# Altium PCB PCB1.PcbDoc (continued)
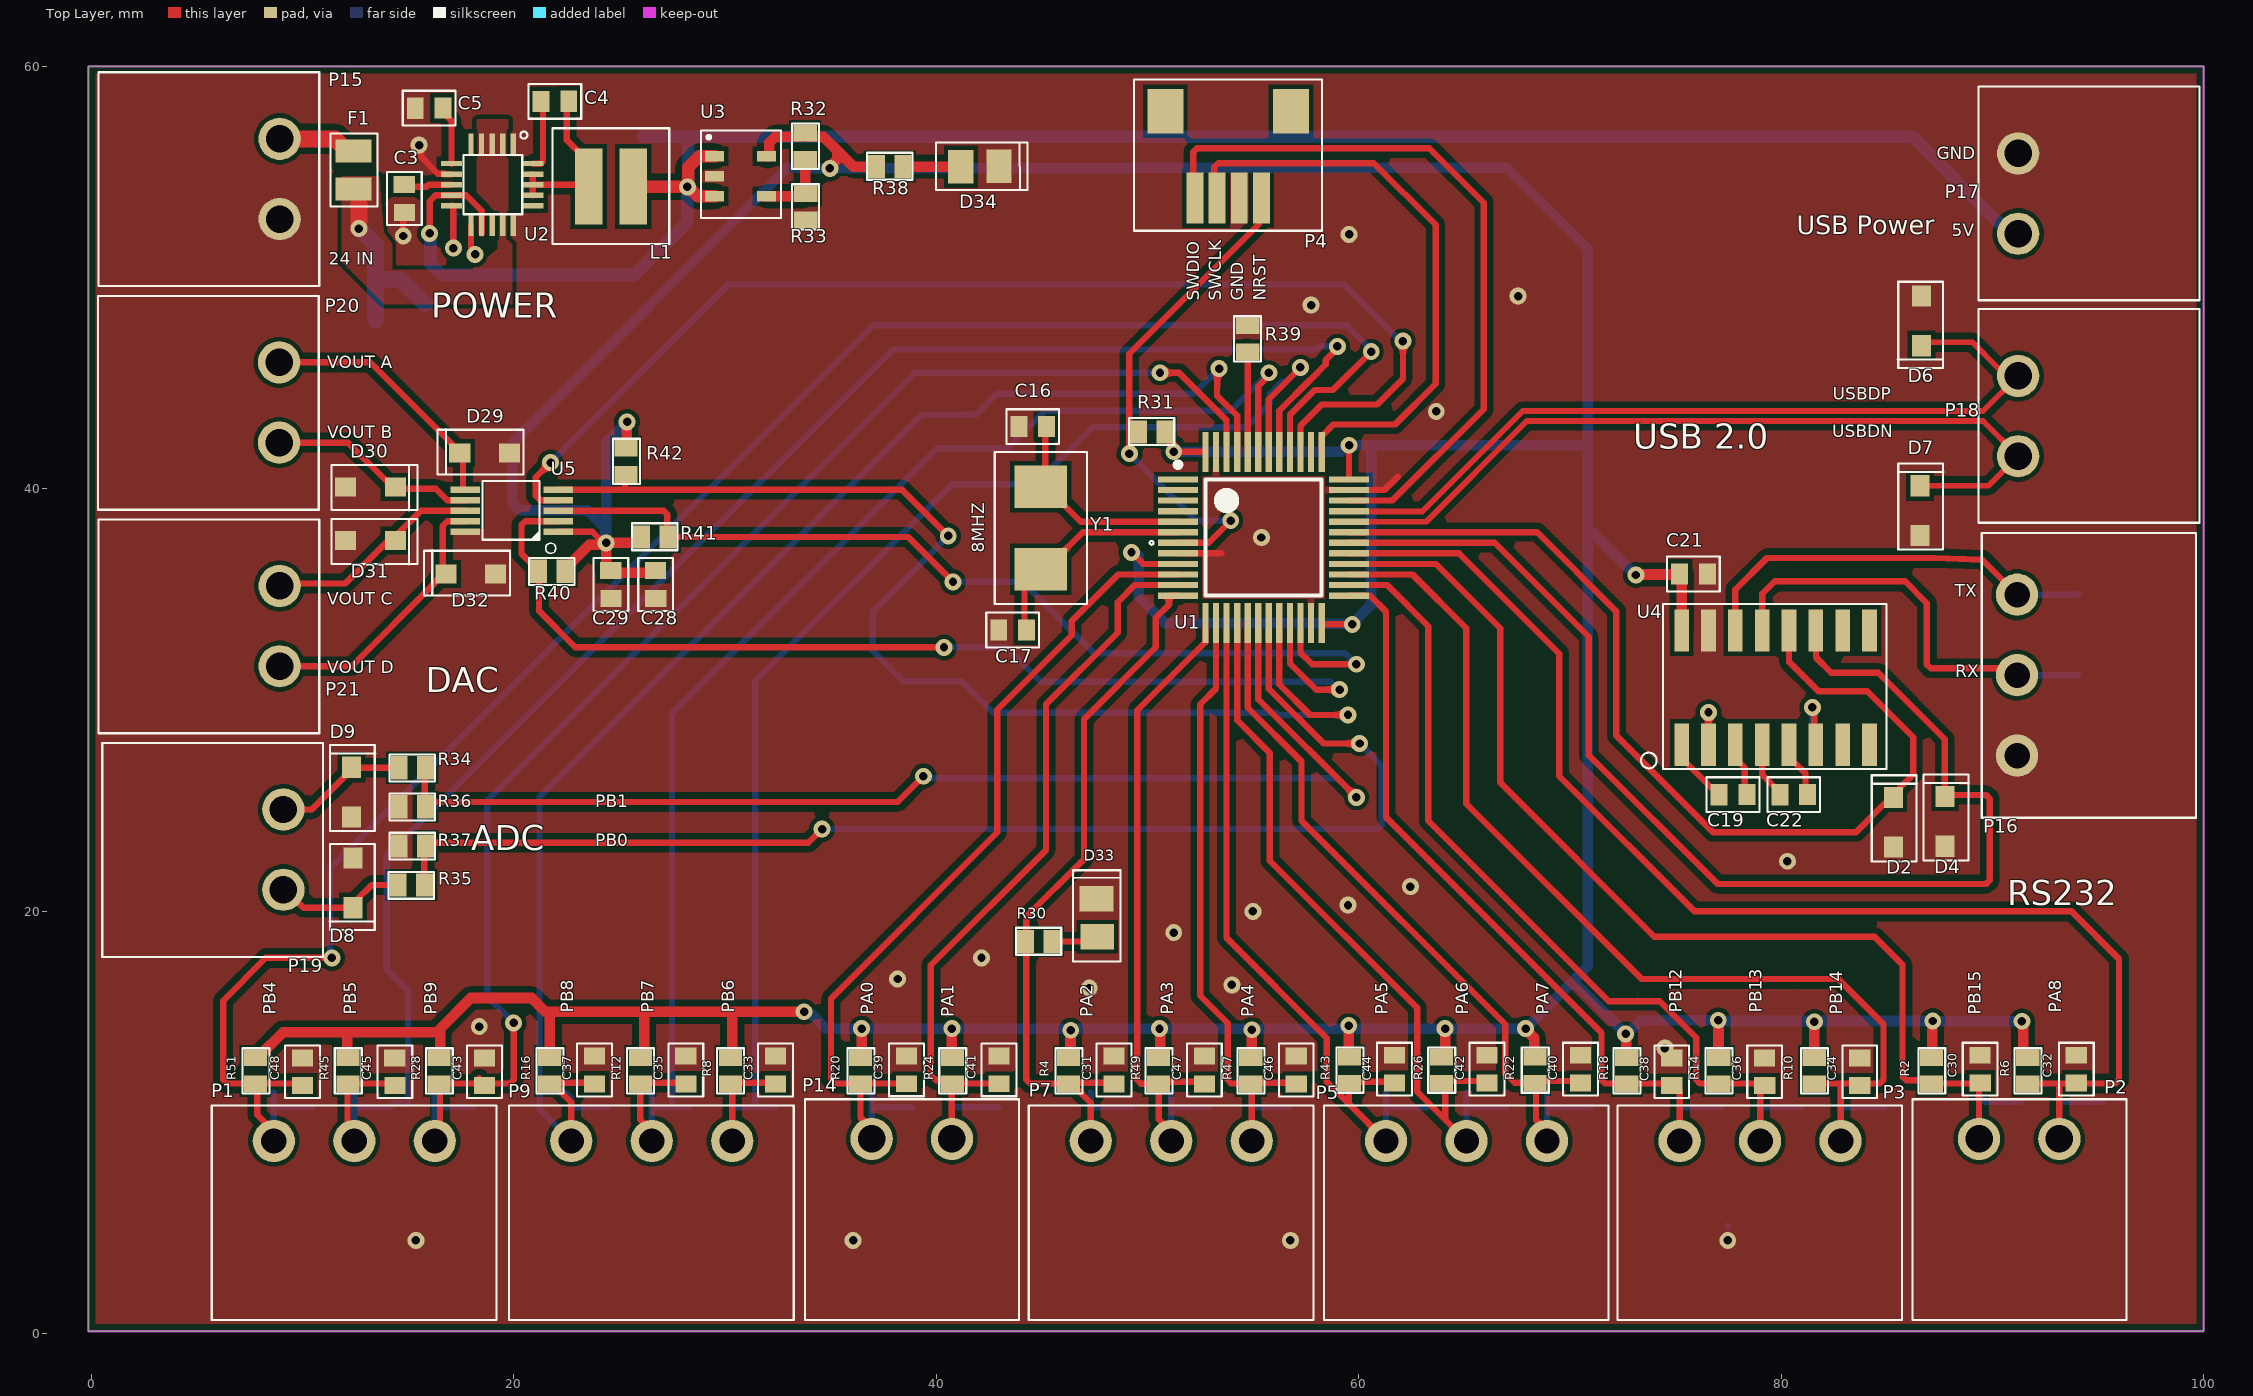
[diagram p0: Top Layer view]
## Footprints (in the part's own frame and the unit in brackets; to place one, negate y for a bottom-side part, rotate by r counter-clockwise, add the part's x,y. Pads: shape width x height; smd on the part's side, far side on the other; paste and mask are expansions set on the pad)
"5-PIN TSOT" [mm] "5-PIN TSOT"
  rect 0.5x0.9 smd paste-2539.97 mask-2539.97: 1(0.575,-0.35) 2(1.525,-0.35) 3(2.475,-0.35) 4(2.475,2.1) 5(0.575,2.101)
  silkscreen extent -0.65,-1 3.5,2.8, body extent 0.08,-0.53 2.98,2.27, height 0.85
"10-PIN MSOP" [mm] "10-PIN MSOP"
  rect 0.3x1.4 smd paste-2539.97 mask-2539.97: 1(0.5,-0.7) 2(1,-0.7) 3(1.5,-0.7) 4(2,-0.7) 5(2.5,-0.7) 6(2.5,3.7) 7(2,3.7) 8(1.5,3.7) 9(1,3.7) 10(0.5,3.7)
  silkscreen extent -0.51,-0.59 2.9,2.88, body extent 0,-0.95 3,3.95, height 1.15
"16-PIN SOIC" [mm] "16-Pin SOIC package general ICs"
  rect 2x0.7 smd paste-2539.97 mask-2539.97: 1(0.3,9.395) 2(0.3,8.125) 3(0.3,6.855) 4(0.3,5.585) 5(0.3,4.315) 6(0.3,3.045) 7(0.3,1.775) 8(0.3,0.505) 9(5.7,0.505) 10(5.7,1.775) 11(5.7,3.045) 12(5.7,4.315) 13(5.7,5.585) 14(5.7,6.855) 15(5.7,8.125) 16(5.7,9.395)
  silkscreen extent -0.85,-0.3 6.95,11.32, body extent 0,0.2 6,9.7, height 1.26
"20-PIN TQFN" [mm] "4mm x 4mm QFN-20"
  rect 0.25x1 smd paste-2539.97 mask-2539.97: 1(1,0.075) 2(1.5,0.075) 3(2,0.075) 4(2.5,0.075) 5(3,0.075) 11(3,3.925) 12(2.5,3.925) 13(2,3.925) 14(1.5,3.925) 15(1,3.925)
  rect 1x0.25 smd paste-2539.97 mask-2539.97: 6(3.925,1) 7(3.925,1.5) 8(3.925,2) 9(3.925,2.5) 10(3.925,3) 16(0.075,3) 17(0.075,2.5) 18(0.075,2) 19(0.075,1.5) 20(0.075,1)
  silkscreen extent 0.33,-0.52 3.35,3.4, body extent -0.01,-0.01 4.01,4.01, height 0.78
"0603 CAP"#1 [mm]
  rect 0.8x1 smd paste-2539.97 mask+0.102: 1(-0.659,-0.002) 2(0.659,0.002)
  silkscreen extent -1.25,-0.82 1.25,0.82, body extent -0.8,-0.4 0.8,0.4, height 0.45
"0603 CAP"#2 [mm]
  rect 0.8x1 smd paste-2539.97 mask-2539.97: 1(-0.659,-0.002) 2(0.659,0.002)
  silkscreen extent -1.25,-0.82 1.25,0.82, body extent -0.8,-0.4 0.8,0.4, height 0.45
"0603 RES"#1 [mm] "0603 resistor footprint"
  rect 0.8x1.1 smd paste-2539.97 mask+0.102: 1(0.175,0.425) 2(1.425,0.425)
  silkscreen extent -0.28,-0.2 1.88,1.07, body extent 0,0 1.6,0.85, height 0.48
"0603 RES"#2 [mm] "0603 resistor footprint"
  rect 0.8x1.1 smd paste-2539.97 mask-2539.97: 1(0.175,0.425) 2(1.425,0.425)
  silkscreen extent -0.28,-0.2 1.88,1.07, body extent 0,0 1.6,0.85, height 0.48
"0805 FUSE" [mm] "0805 Fuse"
  rect 1.1x1.7 smd paste-2539.97 mask-2539.97: 1(0.15,0.7) 2(1.95,0.7)
  silkscreen extent -0.67,-0.4 2.78,1.83, body extent -0.1,-0.05 2.2,1.45, height 0.86
"0805 LED" [mm] "General 0805 Package LED"
  rect 1.2x1.6 smd paste-2539.97 mask-2539.97: 1(0.15,0.625) 2(1.95,0.65)
  silkscreen extent -1.02,-0.48 3.3,1.78, body extent 0.02,0.19 2.08,1.1, height 0.85
"ABM3 2PIN SMD" [mm]
  rect 2x2.5 smd paste-2539.97 mask-2539.97: 1(0.65,1.675) 2(4.55,1.675)
  silkscreen extent -1,-0.5 6.2,3.88, body extent 0.05,0.08 5.05,3.27, height 1.3
LQFP48_N [mm]
  rect 1.9x0.3 smd paste-2539.97 mask-2539.97: 1(-4.05,2.75) 2(-4.05,2.25) 3(-4.05,1.75) 4(-4.05,1.25) 5(-4.05,0.75) 6(-4.05,0.25) 7(-4.05,-0.25) 8(-4.05,-0.75) 9(-4.05,-1.25) 10(-4.05,-1.75) 11(-4.05,-2.25) 12(-4.05,-2.75) 25(4.05,-2.75) 26(4.05,-2.25) 27(4.05,-1.75) 28(4.05,-1.25) 29(4.05,-0.75) 30(4.05,-0.25) 31(4.05,0.25) 32(4.05,0.75) 33(4.05,1.25) 34(4.05,1.75) 35(4.05,2.25) 36(4.05,2.75)
  rect 0.3x1.9 smd paste-2539.97 mask-2539.97: 13(-2.75,-4.05) 14(-2.25,-4.05) 15(-1.75,-4.05) 16(-1.25,-4.05) 17(-0.75,-4.05) 18(-0.25,-4.05) 19(0.25,-4.05) 20(0.75,-4.05) 21(1.25,-4.05) 22(1.75,-4.05) 23(2.25,-4.05) 24(2.75,-4.05) 37(2.75,4.05) 38(2.25,4.05) 39(1.75,4.05) 40(1.25,4.05) 41(0.75,4.05) 42(0.25,4.05) 43(-0.25,4.05) 44(-0.75,4.05) 45(-1.25,4.05) 46(-1.75,4.05) 47(-2.25,4.05) 48(-2.75,4.05)
  silkscreen extent -5.39,-2.75 2.75,3.57, body extent -4.5,-4.49 4.5,4.51, height 1.56
SM04B-SRSS-TB [mm] "sm04b-srss-tb 4 pin header"
  rect 0.8x2.4 smd paste-2539.97 mask-2539.97: 1(1.375,5.025) 2(2.425,5.025) 3(3.475,5.025) 4(4.525,5.025)
  rect 1.7x2.1 smd paste-2539.97 mask-2539.97: 5(-0.025,0.925) 6(5.925,0.925)
  silkscreen extent -1.5,-0.58 7.4,6.58, body extent 0.03,0.38 6.02,5.32, height 3.25
"TVS DIODE"#1 [mm] "SOD323 package diode"
  rect 1x0.9 smd paste-2539.97 mask+0.102: 1(-0.275,0.7) 2(2.075,0.7)
  silkscreen extent -1.33,-0.33 2.75,1.83, body extent -0.4,0.03 2.2,1.38, height 1.1
"TVS DIODE"#2 [mm] "SOD323 package diode"
  rect 1x0.9 smd paste-2539.97 mask-2539.97: 1(-0.275,0.7) 2(2.075,0.7)
  silkscreen extent -1.33,-0.33 2.75,1.83, body extent -0.4,0.03 2.2,1.38, height 1.1
"WR-TBL 322 2H"#1 [mm] "322 series 2 pin header"
  round 2 / inner rect 0.25x0.7 / far side round 2 hole 1.3 paste-2539.97 mask-2539.97: 1(-1.9,3.4) 2(1.9,3.4)
  silkscreen extent -5.05,-5.18 5.07,5.28, body extent -4.41,-4.57 4.41,4.63, height 7.51
"WR-TBL 322 2H"#2 [mm] "322 series 2 pin header"
  round 2 / inner rect 0x0 / far side round 2 hole 1.3 paste-2539.97 mask-2539.97: 1(-1.9,3.4)
  round 2 / inner rect 0.25x0.7 / far side round 2 hole 1.3 paste-2539.97 mask-2539.97: 2(1.9,3.4)
  silkscreen extent -5.05,-5.18 5.07,5.28, body extent -4.41,-4.57 4.41,4.63, height 7.51
"WR-TBL 322 2H"#3 [mm] "322 series 2 pin header"
  round 2 / inner rect 0x0 / far side round 2 hole 1.3 paste-2539.97 mask-2539.97: 1(-1.9,3.4) 2(1.9,3.4)
  silkscreen extent -5.05,-5.18 5.07,5.28, body extent -4.41,-4.57 4.41,4.63, height 7.51
"WR-TBL 322 3H" [mm] "322 series WR-TBL package header 3 pin"
  round 2 / inner round 1.2 / far side round 2 hole 1.2 paste-2539.97 mask-2539.97: 1(-3.81,0) 2(0,0) 3(3.81,0)
  silkscreen extent -6.73,-1.68 6.75,8.47, body extent -6.31,-1.2 6.31,8, height 6.7
XAL6060 [mm] "XAL6060 power inductor"
  rect 1.3x3.6 smd paste-2539.97 mask-2539.97: 1(0.25,1.7) 2(2.37,1.7)
  silkscreen extent -1.45,-1.05 4.08,4.43, body extent -0.82,-0.45 3.48,3.85, height 3

## Part data
C1 C2 C3 C4 C5 C6 C7 C8 C9 C10 C11 C12 C13 C14 C15 C16 C17 C18 C19 C20 C21 C22 C23 C28 C29 C30 C31 C32 C33 C34 C35 C36 C37 C38 C39 C40 C41 C42 C43 C44 C45 C46 C47 C48: library part "0603 Cap", "SMD 0603 (ceramic) capacitor", Capacitor Type=Ceramic, Case/Package=0805, Manufacturer=Murata, Manufacturer Part Number=GRM21BR71C225KA12L, Max Operating Temperature=125°C, Min Operating Temperature=-55°C, Package Shape=Rectangular, Package Style=SMTMeter, Rated DC Voltage (URdc)=16V, Supplier Part Number=81-GRM21BR71C225KA2L, Temperature Characteristics Code=X7R, Tolerance  (fill in as +-)=10%, Category="Ceramic Capacitors", ComponentLink1Description=https://datasheet.ciiva.com:443/pdfs/VipMasterIC/IC/MURE/MURE-S-A0004349797/MURE-S-A0004361718-1.pdf?src-supplier=IHS+Markit, ComponentLink1URL=https://datasheet.ciiva.com:443/pdfs/VipMasterIC/IC/MURE/MURE-S-A0004349797/MURE-S-A0004361718-1.pdf?src-supplier=IHS+Markit, ComponentLink2Description=https://datasheet.ciiva.com/7937/608985-7937701.pdf?src-supplier=Element14, ComponentLink2URL=https://datasheet.ciiva.com/7937/608985-7937701.pdf?src-supplier=Element14, Dielectric Material=Ceramic, Height=1.25mm, JESD-609 Code=e3, Length=2mm, Mounting Technology="Surface Mount", Multilayer=Yes, Packaging="Tape and Reel", Pins=2, Pricing="1=0,3, 10=0,163, 50=0,163, 100=0,098, 1000=0,07, 10000=0,054 (USD)", Reach SVHC Compliant=Yes, RoHS=Yes, RoHS Compliant=Yes, Stock=30148, Supplier=Mouser, Terminal Finish=Nickel, Termination=Wraparound, Tolerance (fill in as +-)=10%, Width=1.25mm
D1 D2 D3 D4 D5 D6 D7 D8 D9 D10 D11 D12 D13 D14 D15 D16 D17 D18 D19 D20 D21 D22 D23 D24 D25 D26 D27 D28 D29 D30 D31 D32: library part "TVS Diode", "Schematic for TVS diode"
F1: "0805 Fuse"
L1: library part "Power Inductor", "XAL6060 preferred"
P1 P3 P5 P7 P9 P16: library part 322-3H, "322 Series 3 pin header"
P2 P14 P15 P17 P18 P19 P20 P21: library part 322-2H, "322 series 2 pin header"
P4: library part "4X HEADER"
R1 R2 R3 R4 R5 R6 R7 R8 R9 R10 R11 R12 R13 R14 R15 R16 R17 R18 R19 R20 R21 R22 R23 R24 R25 R26 R27 R28 R29 R30 R31 R32 R33 R34 R35 R36 R37 R38 R39 R40 R41 R42 R43 R44 R45 R46 R47 R48 R49 R50 R51 R52: library part "0603 Res", "Can be used for SMD resistors"
U1: "STM32 ARM-based 32-bit MCU with 64 Kbytes Flash, 48-pin LQFP, Industrial Temperature", ComponentLink1Description="Manufacturer Link", ComponentLink1URL=www.st.com/stm32, ComponentLink2Description=Datasheet, ComponentLink2URL=http://www.st.com/stonline/products/literature/ds/13587.pdf, DatasheetVersion="rev6, Mar-2008", PackageDescription="48-Pin Low-Profile Quad Flat Pack, 7 x 7 mm Body, 0.5 mm Pitch (LQFP48)", PackageReference=LQFP48, PackageVersion=Mar-2008, Published=30-May-2008, Publisher="Altium Limited"
U2: library part "20-PIN TQFN", "20-PIN TSOT"
U3: library part "5-PIN TSOT", "Schematic for all 5 pin TSOT"
U4: library part "16-PIN SOIC", "16-Pin SOIC package IC schematic"
U5: library part "10-PIN MSOP"
Y1: "XTAL schematic. Footprint available for many packages"

## Via types
v1: diameter 0.8, hole 0.4, Top Layer to Bottom Layer, tented both sides, 73 vias

## Nets (pads, with @x,y where several pads share a name; then routed paths per layer and width w, separated by ;. In a path a pad name is that pad's centre, name@x,y a point inside that pad or via, vN(x,y) a via of type N, cw(c..) or ccw(c..) an arc to the next point about the centre after c; other vN are vias at no path point)
3V3: C8.1 C9.1 C10.1 C11.1 C12.1 C13.1 C14.2 C15.1 C21.1 C28.1 C29.1 R2.1 R4.1 R6.1 R8.1 R10.1 R12.1 R14.1 R16.1 R18.1 R20.1 R22.1 R24.1 R26.1 R28.1 R31.2 R32.1 R38.1 R40.1 R41.1 R42.1 R43.1 R45.1 R47.1 R49.1 R51.1 U1.9 U1.24 U1.36 U1.48 U3.5 U4.16 U5.1 | length 300.5
  Top Layer w0.3: U5.1 23.723,37.967 v1@24.24,37.45 ; v1(49.25,37) 49.8,36.45 U1.9 ; R31.2@50.725,42.525 v1@51.252,41.998 ; v1(51.252,41.759) U1.48@52.741,41.759 ; U1.24@58.25,33.637 58.296,33.591 v1(59.698,33.591) ; U1.36@59.548,40.452 v1(59.548,42.066)
  Top Layer w0.5: R51.1@7.861,13.05 7.936,13.05 8.036,13.15 8.036,13.225 9.086,14.275 12.133,14.275 ; R45.1@12.133,13.05 12.133,14.275 ; 16.35,14.275 12.133,14.275 ; R28.1@16.518,13.05 16.518,14.443 17.975,15.9 20.85,15.9 21.5,15.25 26.176,15.25 ; R16.1@21.716,13.05 21.716,15.25 ; R40.1@22.4,36.1 22.4,36.175 23.579,37.354 24.279,37.354 v1(24.375,37.45) ; R42.1@25.325,41.9 25.35,41.925 25.35,43.15 v1(25.375,43.175) ; R41.1@26.075,37.725 26.075,37.7 25.825,37.45 v1(24.375,37.45) ; R12.1@26.176,13.05 26.176,15.25 ; C28.1@26.723,36.034 24.598,36.034 24.375,36.257 v1(24.375,37.45) ; R8.1@30.336,13.05 30.348,13.063 30.348,15.248 ; U3.5 32.096,55.752 32.096,56.382 32.389,56.675 33.65,56.675 33.8,56.825 33.95,56.675 34.663,56.675 35.331,56.006 ; v1(33.75,15.25) 26.176,15.25 ; v1(34.975,55.175) 34.975,55.256 35.331,55.612 35.331,56.006 ; R20.1@36.475,13.075 v1(36.475,14.45) ; R38.1@37.2,55.263 36.075,55.263 35.331,56.006 ; R24.1@40.75,13.05 v1(40.75,14.45) ; R4.1@46.348,13.05 46.362,13.063 46.362,14.362 v1(46.375,14.375) ; v1(50.575,14.45) 50.604,14.421 50.604,13.079 R49.1@50.633,13.05 ; R31.2@50.725,42.525 R31.2@50.725,42.7 ; v1(51.252,41.759) v1@51.252,41.998 ; R47.1@54.943,13.05 54.947,13.053 54.947,14.397 v1(54.95,14.4) ; v1(59.536,14.591) 59.536,13.105 R43.1@59.55,13.091 ; v1(64.096,14.45) 64.096,13.095 R26.1@64.1,13.091 ; v1(67.906,14.45) 67.906,14.426 68.325,14.007 68.325,13.182 R22.1@68.5,13.007 ; v1(72.638,14.205) 72.669,14.174 72.669,13.081 R18.1@72.7,13.05 ; v1(73.125,35.925) 73.149,35.949 75.317,35.949 75.296,35.928 U4.16 ; R14.1@77.025,13.083 77.038,13.096 77.038,14.837 v1(77.025,14.85) ; R10.1@81.575,12.943 v1(81.575,14.775) ; R2.1@87.125,13.05 87.152,13.077 87.152,14.785 v1(87.18,14.813) ; v1(91.4,14.8) 91.457,14.743 R6.1@91.457,13.082
  Bottom Layer w0.5: v1(25.375,43.175) 24.375,42.175 v1(24.375,37.45) 24.337,37.488 24.337,38.152 23.488,39 20.276,39 19.925,39.351 19.925,42.175 32.95,55.2 33.8,55.2 33.813,55.187 49.088,55.187 49.1,55.175 49.125,55.2 67,55.2 70.857,51.343 70.857,42.309 ; v1(33.75,15.25) 33.807,15.193 34.046,15.193 34.789,14.45 v1(36.475,14.45) v1(40.75,14.45) v1(50.575,14.45) v1(64.096,14.45) v1(67.906,14.45) 70.149,16.693 70.265,16.81 ; v1(49.25,37) 49.288,36.962 49.463,36.962 49.597,36.827 49.597,34.903 50.85,33.65 58.25,33.65 58.279,33.621 v1@59.669,33.621 ; v1(51.252,41.759) 51.256,41.755 59.183,41.755 59.494,42.066 v1(59.548,42.066) 60.6,42.066 ; v1(59.698,33.591) 59.698,33.626 60.6,34.528 60.6,42.066 ; 70.615,42.066 60.6,42.066 ; 70.857,42.066 70.857,38.168 ; v1(73.125,35.925) 73.1,35.925 70.857,38.168 ; v1(91.4,14.8) 91.394,14.806 87.186,14.806 v1(87.18,14.813) 81.575,14.813 77.063,14.813 v1(77.025,14.85) 73.364,14.85 72.719,14.205 v1(72.638,14.205) 70.296,16.546 70.296,16.779 70.265,16.81 ; 70.265,16.81 70.857,17.401 70.857,38.168
"5V OUT": C6.1 C7.1 C18.1 L1.1 P17.1 U2.9 U2.12 U3.1 U3.3 | length 97.7
  Top Layer w0.3: v1(16.025,52.1) 16.025,53.625 16.301,53.901 U2.9 17.751,53.901 18.484,53.167 U2.12 U2.12@18.484,52.1
  Top Layer w0.6: L1.1 25.695,54.3 v1(28.225,54.3) 28.263,54.338 28.263,55.213 28.802,55.752 U3.1 ; v1@28.279,54.3 28.727,53.852 U3.3
  Bottom Layer w0.6: v1(16.025,52.1) 16.063,52.062 16.063,50.662 16.6,50.125 25.725,50.125 28.225,52.625 v1(28.225,54.3) 28.263,54.338 C6.1@28.263,56.682 ; C7.1@26.098,56.666 28.248,56.666 C6.1@28.263,56.682 ; C6.1@28.373,56.691 28.273,56.691 C6.1@28.263,56.682 ; C6.1@28.5,56.666 86.234,56.666 90.278,52.622 90.306,52.622 90.846,52.081 P17.1
"24V IN": C1.1 C2.2 D1.1 F1.2 U2.2 U2.3 U2.4 U2.14 | length 9.3
  Top Layer w0.8: v1(12.675,52.325) 12.675,54.075 F1.2@12.8,54.2
  Bottom Layer w0.8: v1(12.675,52.325) 13.459,51.541 13.459,49.998 C1.1@13.459,49.898 ; C2.2@13.459,47.998 13.459,49.701 13.683,49.925 14.65,49.925 D1.1
+24V: F1.1 P15.1 | length 3.7
  Top Layer w0.8: P15.1 11.55,56.575 12.158,55.967 F1.1@12.392,55.967
_BSY: R42.2 U1.20 U5.5 | length 57.6
  Top Layer w0.3: U5.5 25.275,39.967 ; R42.2@25.325,40.7 25.275,40.65 25.275,39.967 ; v1(40.575,37.775) 38.383,39.967 25.275,39.967 ; U1.20 56.25,30.75 57.7,29.3 v1(59.5,29.3)
  Bottom Layer w0.3: v1(40.575,37.775) 37,34.2 37,32.34 38.426,30.914 38.426,30.9 41.2,30.9 42.7,29.4 56.099,29.4 56.199,29.3 v1(59.5,29.3)
_LDAC: U1.39 U5.4 | length 56.7
  Top Layer w0.3: v1(21.75,41.25) 21.053,40.553 21.053,39.672 21.258,39.467 U5.4 ; U1.39 57.25,43 58.25,44 60.875,44 62.1,45.225 v1(62.1,47)
  Bottom Layer w0.3: v1(21.75,41.25) 30.175,49.675 59.308,49.675 61.983,47 v1(62.1,47)
ADC12_IN8: R34.1 R36.1 U1.18 | length 57
  Top Layer w0.3: R36.1@15.8,24.95 R36.1@15.8,25.183 ; R34.1@15.8,26.8 R36.1@15.8,25.183 ; v1(39.4,26.4) 38.183,25.183 R36.1@15.8,25.183 ; U1.18 55.25,30.05 v1(59.9,25.4)
  Bottom Layer w0.3: v1(39.4,26.4) 39.495,26.305 58.995,26.305 v1(59.9,25.4)
ADC12_IN9: R35.1 R37.1 U1.19 | length 60.2
  Top Layer w0.3: R35.1@15.75,21.25 15.775,21.275 15.775,23.075 R37.1@15.8,23.1 ; R37.1@15.866,23.25 33.95,23.25 v1(34.6,23.9) ; U1.19 55.75,30.543 58.343,27.95 v1(60.05,27.95)
  Bottom Layer w0.3: v1(34.6,23.9) 60.924,23.9 61.1,24.076 61.1,26.9 v1(60.05,27.95)
ANALOG8: D8.1 P19.1 R34.2 | length 6.3
  Top Layer w0.3: P19.1 10.45,24.825 12.325,26.7 12.325,26.725 12.4,26.8 R34.2@14.6,26.8
ANALOG9: D9.1 P19.2 R35.2 | length 5.9
  Top Layer w0.3: P19.2 9.202,21.025 10.052,20.175 D9.1 ; D9.1@12.578,20.547 13.281,21.25 R35.2@14.55,21.25
BOOT: R39.1 U1.44 | length 4.9
  Top Layer w0.3: R39.1@54.7,46.675 54.8,46.575 R39.1@54.825,46.575 ; U1.44 R39.1
C1+: C19.1 U4.1 | length 3.3
  Top Layer w0.3: U4.1 75.296,27.245 76.668,25.873 76.916,25.873 77.166,25.623 C19.1@77.166,25.523
C1-: C19.2 U4.3 | length 2.6
  Top Layer w0.3: U4.3 77.836,27.245 78.284,26.798 C19.2@78.284,25.527
C2+: C22.1 U4.4 | length 2.7
  Top Layer w0.3: U4.4 79.106,26.467 79.699,25.873 79.799,25.873 C22.1@80.041,25.632
C2-: C22.2 U4.5 | length 2.7
  Top Layer w0.3: U4.5 80.376,27.245 80.576,27.045 80.651,27.045 81.159,26.538 C22.2@81.159,25.527
GND: C1.2 C2.1 C3.2 C5.2 C6.2 C7.2 C8.2 C9.2 C10.2 C11.2 C12.2 C13.2 C14.1 C15.2 C16.2 C17.2 C18.2 C20.2 C21.2 C23.2 C28.2 C29.2 C30.2 C31.2 C32.2 C33.2 C34.2 C35.2 C36.2 C37.2 C38.2 C39.2 C40.2 C41.2 C42.2 C43.2 C44.2 C45.2 C46.2 C47.2 C48.2 D1.2 D2.2 D3.2 D4.2 D5.2 D6.2 D7.2 D8.2 D9.2 D10.2 D11.2 D12.2 D13.2 D14.2 D15.2 D16.2 D17.2 D18.2 D19.2 D20.2 D21.2 D22.2 D23.2 D24.2 D25.2 D26.2 D27.2 D28.2 D29.2 D30.2 D31.2 D32.2 D33.2 D34.2 P4.2 P15.2 P16.3 P17.2 R1.2 R3.2 R5.2 R7.2 R9.2 R11.2 R13.2 R15.2 R17.2 R19.2 R21.2 R23.2 R25.2 R27.2 R29.2 R33.1 R36.2 R37.2 R39.2 R44.2 R46.2 R48.2 R50.2 R52.2 U1.8 U1.23 U1.35 U1.47 U2.1 U2.7 U2.11 U2.15 U3.2 U4.15 U5.10 | length 9.8
  Top Layer w0.3: v1(14.775,51.975) 14.775,53.14 C3.2@14.827,53.191 ; v1(15.525,56.275) 15.621,56.179 15.621,55.72 16.414,54.926 16.709,54.926 16.734,54.901 U2.7 ; U2.11 17.984,51.426 18.175,51.235 v1(18.175,51.1) ; v1(47.25,16.375) v1@47.275,16.375 ; U1.8 53.5,36.95 ; v1@59.5,20.25 v1(59.5,20.3) ; U1.35 61.225,39.95 61.85,40.575
  Bottom Layer w0.3: 77.475,5.075 77.475,5.125
  other v1: 15.375,4.425 36.075,4.425 56.775,4.425 77.475,4.425 74.5,13.525 18.375,14.55 54,16.525 38.175,16.8 42.15,17.8 51.25,19 55,20 62.45,21.175 80.3,22.375 55.4,37.7 63.675,43.675 57.75,48.7 67.55,49.125 59.55,52.05
HSE_IN/OUT: C16.1 U1.5 Y1.1 | length 10
  Top Layer w0.3: C16.1@45.175,42.802 45.175,40.325 Y1.1 45.2,40.1 46.85,38.45 U1.5
HSE_OUT/IN: C17.1 U1.6 Y1.2 | length 10.4
  Top Layer w0.3: C17.1@44.184,33.327 44.184,35.434 Y1.2 45.2,36.2 46.95,37.95 U1.6
LX: C4.1 L1.2 U2.17 U2.18 U2.19 | length 8.1
  Top Layer w0.3: U2.17 U2.18 ; U2.19 U2.18 ; C4.1@22.509,58.352 22.509,56.516 23.55,55.475 L1.2 23.474,54.401 U2.18
NetC3_1: C3.1 U2.8 | length 2.3
  Top Layer w0.3: C3.1@14.823,54.309 15.895,54.309 15.987,54.401 U2.8
NetC4_2: C4.2 U2.20 | length 3.4
  Top Layer w0.3: U2.20 21.284,55.401 21.391,55.508 C4.2@21.391,58.348
NetC5_1: C5.1 U2.6 | length 2.8
  Top Layer w0.3: C5.1@16.559,58.027 16.559,57.927 17.059,57.426 U2.6
NetD33_1: D33.1 R30.2 | length 2.3
  Top Layer w0.3: R30.2@45.45,18.575 47.4,18.575 D33.1
NetD34_1: D34.1 R38.2 | length 2.8
  Top Layer w0.5: R38.2@38.4,55.263 41.163,55.263 D34.1
NetR1_1: R1.1 U2.10 | length 3.7
  Top Layer w0.3: U2.10 17.125,53.401 17.15,53.376 v1(17.15,51.402)
  Bottom Layer w0.3: v1(17.15,51.402) 17.164,51.417 17.164,52.89 R1.1@17.254,52.98
NRST: P4.1 R31.1 U1.7 | length 25.1
  Top Layer w0.3: v1(49.15,41.675) 49.15,42.7 ; R31.1@49.675,42.7 49.15,42.7 ; U1.7 52.9,37.45 v1(53.95,38.5) ; P4.1@55.275,54.625 55.275,52.525 49.15,46.4 49.15,42.7
  Bottom Layer w0.3: v1(49.15,41.675) 52.325,38.5 v1(53.95,38.5)
PA0: C39.1 D19.1 P14.1 R20.2 R21.1 U1.10 | length 43.1
  Top Layer w0.3: P14.1 36.948,9.721 36.423,10.246 36.423,11.848 R20.2@36.425,11.85 ; C39.1@38.702,11.916 38.635,11.85 R20.2@36.425,11.85 ; U1.10 50.7,35.95 48.625,35.95 46.425,33.75 46.425,33.075 42.9,29.55 42.9,23.742 35.025,15.867 35.025,12.026 35.201,11.85 R20.2@36.425,11.85
  Bottom Layer w0.3: R21.1@36.925,11.425 36.948,11.402 36.948,10.675 ; P14.1 36.948,10.675 ; D19.1@38.825,10.725 36.998,10.725 36.948,10.675
PA1: C41.1 D21.1 P14.2 R24.2 R25.1 U1.11 | length 39.4
  Top Layer w0.3: P14.2 40.748,11.848 R24.2@40.75,11.85 ; C41.1@42.702,11.891 42.66,11.85 R24.2@40.75,11.85 ; U1.11 49.409,35.45 48.6,34.641 48.6,33.2 45.2,29.8 45.2,22.9 39.75,17.45 39.75,12.25 40,12 40.6,12 R24.2@40.75,11.85
  Bottom Layer w0.3: P14.2 40.748,10.675 ; R25.1@40.75,11.425 40.748,11.423 40.748,10.675 ; D21.1@42.95,10.725 40.798,10.725 40.748,10.675
PA2: C31.1 D11.1 P7.3 R4.2 R5.1 R30.1 U1.12 | length 37.8
  Top Layer w0.3: R4.2@46.389,11.891 48.435,11.891 C31.1@48.477,11.932 ; P7.3 47.323,10.95 46.423,11.85 46.348,11.85 44.451,11.85 44.275,12.026 44.275,19.75 47,22.475 47,29.1 50.4,32.5 50.4,33.9 51.026,34.526 51.026,34.95 U1.12
  Bottom Layer w0.3: R5.1@47.311,11.425 47.323,11.413 47.323,10.65 ; P7.3 47.323,10.65 ; D11.1@49.25,10.725 47.398,10.725 47.323,10.65
PA3: C47.1 D27.1 P7.2 R49.2 R50.1 U1.13 | length 33.2
  Top Layer w0.3: R49.2@50.533,11.847 49.701,11.847 49.525,12.023 49.525,29.525 52.75,32.75 U1.13 ; R49.2@50.533,11.85 50.533,10.16 51.133,9.56 P7.2 ; R49.2@50.533,11.932 C47.1@52.702,11.932
  Bottom Layer w0.3: R50.1@51.121,11.425 51.133,11.413 51.133,10.7 ; P7.2 51.133,10.7 ; D27.1@52.9,10.725 51.158,10.725 51.133,10.7
PA4: C46.1 D26.1 P7.1 R47.2 R48.1 U1.14 | length 32.2
  Top Layer w0.3: U1.14 53.25,30.55 52.5,29.8 52.5,16 53.8,14.7 53.8,12.026 53.976,11.85 R47.2@54.893,11.85 ; P7.1 R47.2@54.943,11.68 ; R47.2@54.943,11.85 54.985,11.891 56.76,11.891 C46.1@56.802,11.932
  Bottom Layer w0.3: R48.1@54.931,11.425 54.943,11.413 54.943,10.7 ; P7.1 54.943,10.7 ; D26.1@56.725,10.725 54.968,10.725 54.943,10.7
PA5: C44.1 D25.1 P5.3 R43.2 R44.1 U1.15 | length 35
  Top Layer w0.3: U1.15 53.75,32.9 53.75,18.75 58.5,14 58.5,11.932 59.55,10.882 ; R43.2@59.55,11.891 59.55,10.882 ; R43.2@59.899,11.902 59.94,11.943 61.921,11.943 C44.1@61.952,11.973 ; P5.3 59.55,10.882
  Bottom Layer w0.3: R44.1@61.286,11.425 61.298,11.413 61.298,10.75 ; P5.3 61.298,10.75 ; D25.1@63.225,10.725 61.323,10.725 61.298,10.75
PA6: C42.1 D22.1 P5.2 R26.2 R27.1 U1.16 | length 36.7
  Top Layer w0.3: U1.16 54.25,32.9 54.25,32.197 54.25,29.05 55.8,27.5 55.8,22.4 62.775,15.425 62.775,11.467 64.1,10.142 ; P5.2 64.1,10.142 ; C42.1@65.802,11.973 64.182,11.973 64.1,11.891 64.1,10.142
  Bottom Layer w0.3: R27.1@65.096,11.425 65.108,11.413 65.108,10.65 ; P5.2 65.108,10.65 ; D22.1@67,10.725 65.183,10.725 65.108,10.65
PA7: C40.1 D20.1 P5.1 R22.2 R23.1 U1.17 | length 38
  Top Layer w0.3: U1.17 54.75,31.99 54.75,29.65 57.3,27.1 57.3,24.3 66.948,14.652 66.948,12.341 67.398,11.891 R22.2@67.9,11.891 ; P5.1 68.918,9.621 68.4,10.139 68.4,11.891 R22.2@67.9,11.891 ; C40.1@70.527,11.973 67.982,11.973 R22.2@67.9,11.891
  Bottom Layer w0.3: R23.1@68.906,11.425 68.918,11.413 68.918,10.6 ; P5.1 68.918,10.6 ; D20.1@70.975,10.725 69.043,10.725 68.918,10.6
PA8: C32.1 D12.1 P2.2 R6.2 R7.1 U1.29 | length 64.3
  Top Layer w0.3: U1.29 64.75,36.95 69.5,32.2 69.5,26.4 75.9,20 93.75,20 96,17.75 96,12.026 95.824,11.85 93.977,11.85 93.727,11.85 93.173,11.85 ; R6.2@91.425,11.85 93.173,11.85 ; P2.2 93.173,11.85
  Bottom Layer w0.3: P2.2@93.173,9.484 93.173,10.9 93.248,10.975 D12.1@95.2,10.975
PB4: C48.1 D28.1 P1.3 R51.2 R52.1 U1.40 | length 92.4
  Top Layer w0.3: P1.3 8.648,9.594 7.861,10.381 R51.2@7.861,11.85 ; C48.1@10.002,11.85 R51.2@7.861,11.85 ; v1(11.4,17.8) 8.273,17.8 6.25,15.777 6.25,12.026 6.426,11.85 R51.2@7.861,11.85 ; U1.40 56.75,43.5 57.934,44.684 58.784,44.684 v1(60.6,46.5)
  Bottom Layer w0.3: R52.1@8.636,11.425 8.648,11.413 8.648,10.75 ; P1.3 8.648,10.75 ; D28.1@10.475,10.725 8.673,10.725 8.648,10.75 ; v1(11.4,17.8) 11.304,17.896 11.304,22.029 37.025,47.75 59.433,47.75 60.6,46.583 v1(60.6,46.5)
PB5: C45.1 D24.1 P1.2 R45.2 R46.1 U1.41 | length 83.1
  Top Layer w0.3: R45.2@12.133,11.85 12.133,9.459 P1.2 ; R45.2@12.458,11.85 C45.1@14.552,11.85 ; U1.41 56.25,43.707 57.727,45.184 57.73,45.184 58.441,45.894 58.441,46.107 59,46.665 v1(59,46.75)
  Bottom Layer w0.3: R46.1@12.446,11.425 12.458,11.413 12.458,10.7 ; P1.2 12.458,10.7 ; v1(59,46.75) 58.15,46.75 58,46.6 37.95,46.6 14,22.65 14,17.25 15,16.25 15,10.926 14.351,10.926 14.15,10.725 12.483,10.725 12.458,10.7
PB6: C33.1 D13.1 P9.1 R8.2 R9.1 U1.42 | length 66.1
  Top Layer w0.3: P9.1 30.348,11.838 30.336,11.85 30.377,11.891 32.31,11.891 C33.1@32.352,11.932 ; U1.42 55.75,44.25 57.244,45.744 v1(57.244,45.758)
  Bottom Layer w0.3: P9.1 30.348,10.75 ; R9.1@30.348,11.425 30.348,10.75 ; D13.1@32.35,10.725 31.437,10.725 ; v1(57.244,45.758) 57.244,45.744 56.567,45.067 56.377,45.067 55.79,44.479 55.79,44.04 54.675,42.925 47.4,42.925 44.7,40.225 40.75,40.225 31.437,30.912 31.437,10.725 ; 30.348,10.75 30.5,10.75 30.525,10.725 31.437,10.725
PB7: C35.1 D15.1 P9.2 R12.2 R13.1 U1.43 | length 66.7
  Top Layer w0.3: R12.2@26.001,11.85 26.001,10.131 26.538,9.594 P9.2 ; R12.2@26.176,11.891 28.26,11.891 C35.1@28.302,11.932 ; U1.43 55.25,44.865 55.75,45.365 v1(55.75,45.5)
  Bottom Layer w0.3: P9.2 26.538,10.725 ; R13.1@26.538,11.425 26.538,10.725 ; D15.1@28.325,10.725 27.5,10.725 ; v1(55.75,45.5) 53.95,43.7 45.175,43.7 43.4,41.925 40.05,41.925 27.5,29.375 27.5,10.725 ; 26.539,10.725 27.5,10.725
PB8: C37.1 D17.1 P9.3 R16.2 R17.1 U1.45 | length 70.9
  Top Layer w0.3: P9.3 22.728,10.962 22.378,11.313 22.166,11.525 22.166,11.6 21.916,11.85 21.841,11.85 21.882,11.891 23.46,11.891 C37.1@23.502,11.932 ; v1(53.4,45.7) 53.304,45.604 53.304,44.869 53.3,44.865 53.3,44.407 54.25,43.457 U1.45
  Bottom Layer w0.3: R17.1 22.478,11.4 22.728,11.15 22.728,10.974 P9.3 21.225,10.637 21.225,25.425 39.3,43.5 41.014,43.5 41.027,43.513 41.888,43.513 42.875,44.5 52.2,44.5 v1(53.4,45.7) ; 22.754,10.725 D17.1@24.425,10.725
PB9: C43.1 D23.1 P1.1 R28.2 R29.1 U1.46 | length 69.9
  Top Layer w0.3: P1.1 16.518,9.384 16.518,11.85 18.127,11.85 C43.1@18.377,12.1 ; C43.1@18.577,11.85 19.824,11.85 20,12.026 v1(20,14.725) ; v1(50.6,45.5) 51.5,45.5 53.75,43.25 U1.46
  Bottom Layer w0.3: R29.1@16.256,11.425 16.268,11.413 16.268,10.725 ; P1.1 16.268,10.725 ; D23.1@18.075,10.725 16.268,10.725 ; v1(20,14.725) 18.75,15.975 18.75,25.25 38.993,45.493 40.418,45.493 40.425,45.5 v1(50.6,45.5)
PB12: C38.1 D18.1 P3.3 R18.2 R19.1 U1.25 | length 39
  Top Layer w0.3: U1.25 60.55,34.95 61.3,34.2 61.3,24.45 71.5,14.25 71.5,12.026 71.676,11.85 R18.2@72.7,11.85 ; R18.2@72.7,11.942 73.108,11.942 73.2,11.85 74.877,11.85 75.21,11.517 P3.3@75.21,9.145
  Bottom Layer w0.3: R19.1@75.186,11.425 75.198,11.413 75.198,10.7 ; P3.3 75.198,10.7 ; D18.1@77.15,10.725 75.223,10.725 75.198,10.7
PB13: C36.1 D16.1 P3.2 R14.2 R15.1 U1.26 | length 42.6
  Top Layer w0.3: U1.26 61.35,35.45 63.3,33.5 63.3,24.3 71.85,15.75 74.25,15.75 75.983,14.017 75.983,12.026 76.159,11.85 77,11.85 78.727,11.85 79.008,11.568 P3.2
  Bottom Layer w0.3: R15.1@78.996,11.425 79.008,11.413 79.008,10.7 ; P3.2 79.008,10.7 ; D16.1@80.95,10.725 79.033,10.725 79.008,10.7
PB14: C34.1 D14.1 P3.1 R10.2 R11.1 U1.27 | length 51.7
  Top Layer w0.3: U1.27 62.55,35.95 65.1,33.4 65.1,25.1 73.4,16.8 82.7,16.8 84.85,14.65 84.85,12.026 84.674,11.85 82.818,11.85 R10.2@81.825,11.85 ; P3.1 82.818,11.73
  Bottom Layer w0.3: R11.1@82.806,11.425 82.818,11.413 82.818,10.725 ; P3.1 82.818,10.725 ; D14.1@84.9,10.725 82.818,10.725
PB15: C30.1 D10.1 P2.1 R2.2 R3.1 U1.28 | length 54
  Top Layer w0.3: U1.28 63.65,36.45 66.7,33.4 66.7,26.1 74,18.8 84.424,18.8 85.75,17.474 85.75,12.176 85.926,12 87.475,12 87.625,11.85 89.36,11.85 C30.1@89.427,11.916 ; P2.1 C30.1@89.373,11.85
  Bottom Layer w0.3: R3.1@89.361,11.275 R3.1@89.373,11.262 ; P2.1@89.373,9.484 R3.1@89.373,11.262 ; D10.1@91.325,10.975 89.661,10.975 R3.1@89.373,11.262
RS232_IN1: D5.1 P16.2 U4.13 | length 20.5
  Top Layer w0.3: U4.13 79.106,35.031 79.7,35.625 85.875,35.625 86.904,34.596 86.904,31.686 87.079,31.51 90.85,31.51 P16.2
  Bottom Layer w0.3: P16.2 94.038,31.185 D5.1
RS232_OUT1: D3.1 P16.1 U4.14 | length 19.5
  Top Layer w0.3: U4.14 77.836,35.236 79.331,36.731 87.25,36.731 89.52,36.65 P16.1
  Bottom Layer w0.3: P16.1 94.038,34.995 D3.1
RX1: D2.1 U1.31 U4.12 | length 47.8
  Top Layer w0.3: U1.31 68.45,37.95 72.2,34.2 72.2,28.325 76.775,23.75 83.546,23.75 84.917,25.121 85.017,25.121 85.417,25.521 85.417,25.621 85.617,25.821 85.617,25.845 85.792,26.021 86.25,26.479 86.25,28.25 84.075,30.425 81.775,30.425 80.376,31.824 U4.12
SCL: R40.2 U1.21 U5.2 | length 50.5
  Top Layer w0.3: U5.2 20.546,38.467 20.371,38.291 20.371,36.929 20.518,36.782 20.875,36.425 20.95,36.425 21.2,36.175 21.2,36.1 21.2,34.225 22.925,32.5 v1(40.375,32.5) ; U1.21 56.75,31.75 58,30.5 v1(59.1,30.5)
  Bottom Layer w0.3: v1(40.375,32.5) 43.327,32.5 44.952,30.875 58.674,30.875 59.049,30.5 v1(59.1,30.5)
SDA: R41.2 U1.22 U5.3 | length 45.7
  Top Layer w0.3: U5.3 27.099,38.967 27.275,38.791 27.275,37.725 38.675,37.725 v1(40.8,35.6) ; U1.22 57.25,32.25 57.8,31.7 v1(59.9,31.7)
  Bottom Layer w0.3: v1(40.8,35.6) 44.1,35.6 47.475,32.225 59.375,32.225 v1(59.9,31.7)
SENSE/ADJ: R32.2 R33.2 U3.4 | length 3.6
  Top Layer w0.5: U3.4 33.727,53.852 33.825,53.95 33.813,53.963 33.813,55.612 R32.2@33.8,55.625
SWCLK: P4.3 U1.37 | length 27.1
  Top Layer w0.3: P4.3@53.175,54.625 53.175,55.249 53.351,55.425 60.725,55.425 63.65,52.5 63.65,44.975 61.725,43.05 58.8,43.05 58.25,42.5 U1.37
SWDIO: P4.4 U1.34 | length 34.1
  Top Layer w0.3: P4.4@52.175,54.675 52.175,55.949 52.351,56.125 63.35,56.125 65.925,53.55 65.925,43.775 61.6,39.45 U1.34
TX1: D4.1 U1.30 U4.11 | length 58
  Top Layer w0.3: U1.30 66.45,37.45 70.9,33 70.9,27.4 77,21.3 89.699,21.3 89.875,21.476 89.875,25.333 89.699,25.508 87.742,25.508 87.742,25.758 87.742,28.158 84.6,31.3 82.375,31.3 81.654,32.021 81.654,33.288 U4.11
USBD_N: D7.1 P18.1 U1.32 | length 39.6
  Top Layer w0.271: U1.32 63.2,38.45 67.965,43.215 89.56,43.215 P18.1 89.825,40.15 D7.1
USBD_P: D6.1 P18.2 U1.33 | length 39.6
  Top Layer w0.271: U1.33 60.635,38.95 60.652,38.933 63.017,38.933 67.769,43.685 89.56,43.685 P18.2 90.894,45.681 90.319,45.681 89.05,46.95 86.817,46.95 D6.1
V+: C20.1 U4.2 | length 2.9
  Top Layer w0.3: U4.2 v1(76.566,29.419)
  Bottom Layer w0.3: v1(76.566,29.419) 76.591,29.394 76.591,28.127 C20.1@76.616,28.102
V-: C23.1 U4.6 | length 3.4
  Top Layer w0.3: v1(81.482,29.657) 81.564,29.575 81.564,27.977 U4.6
  Bottom Layer w0.3: C23.1@81.479,28.044 81.483,28.048 v1(81.482,29.657)
VOUTA: D29.1 P20.1 U5.6 | length 12.4
  Top Layer w0.3: P20.1 13.208,45.992 17.4,41.8 17.4,41.725 17.425,41.7 17.575,41.7 D29.1@17.6,41.675 ; D29.1@17.6,41.6 D29.1@17.6,41.675 ; U5.6 17.6,39.967 D29.1@17.6,41.675
VOUTB: D30.1 P20.2 U5.7 | length 10
  Top Layer w0.3: P20.2 12.158,42.192 14.25,40.1 14.25,39.975 D30.1@14.343,39.975 ; D30.1@14.343,40.007 16.318,40.007 16.858,39.467 U5.7
VOUTC: D31.1 P21.1 U5.8 | length 10.2
  Top Layer w0.3: P21.1@8.968,35.525 12.025,35.525 14.175,37.675 14.325,37.675 14.35,37.7 14.425,37.7 14.45,37.725 14.45,37.8 15.617,38.967 U5.8
VOUTD: D32.1 P21.2 U5.9 | length 13.1
  Top Layer w0.3: P21.2 12.333,31.608 16.35,35.625 16.35,35.675 16.65,35.975 16.7,35.975 16.653,36.022 16.653,36.261 16.653,38.262 16.858,38.467 U5.9
pads on no net: P4.5 P4.6 U1.1 U1.2 U1.3 U1.4 U1.38 U2.5 U2.13 U2.16 U4.7 U4.8 U4.9 U4.10

## Polygon pours and split planes (outlines as drawn)
GND on Top Layer "GND_L01_P017" (solid, remove dead copper, pour order 17): -0.127,0.127 -0.127,60 100,60 100,0.127
"24V IN" on Top Layer "24V_IN_L01_P015" (solid, remove dead copper, pour order 15): 11.85,54.45 11.875,54.425 11.875,50.75 13.875,48.75 19.925,48.75 19.925,51.575 19.75,51.75 19.75,57.5 18.3,57.5 18.25,57.55 18.25,54 19.25,53 19.25,51.365 17.965,50.375 14.25,50.375 14.25,51.575 13.845,52.145 13.65,54.8 11.9,54.8 11.875,54.825
GND on Bottom Layer "GND_L02_P018" (solid, remove dead copper, pour order 18): -0.127,0.127 -0.127,60 100,60 100,0.127

## Keep-outs
Keep-Out Layer:
  the board outline again, w0.1

## Silkscreen, mask and mechanical layers (free items; w line width, h text height)
Top Overlay:
  text "GND" at 87.375,55.388 h1
  text "USB Power" at 80.75,51.75 h1.5
  text "5V" at 88.087,51.738 h1
  text "24 IN" at 11.25,50.4 h1
  text "SWDIO" at 52.664,48.902 h1 r90
  text "SWCLK" at 53.714,48.902 h1 r90
  text "GND" at 54.762,48.902 h1 r90
  text "NRST" at 55.814,48.902 h1 r90
  text "POWER" at 16.1,47.7 h2
  text "VOUT A" at 11.175,45.492 h1
  text "USBDP" at 82.45,44.013 h1
  text "USBDN" at 82.425,42.238 h1
  text "VOUT B" at 11.175,42.192 h1
  text "USB 2.0" at 73,41.5 h2
  text "8MHZ" at 42.489,36.986 h1 r90
  text "TX" at 88.225,34.694 h1
  text "VOUT C" at 11.175,34.308 h1
  text "VOUT D" at 11.175,31.058 h1
  text "RX" at 88.241,30.884 h1
  text "DAC" at 15.85,29.982 h2
  text "PB1" at 23.875,24.714 h1
  text "PB0" at 23.858,22.881 h1
  text "ADC" at 18,22.5 h2
  text "RS232" at 90.7,19.9 h2
  text "PB8" at 23.029,15.2 h1 r90
  text "PB7" at 26.839,15.2 h1 r90
  text "PB6" at 30.648,15.2 h1 r90
  text "PB12" at 75.506,15.2 h1 r90
  text "PB13" at 79.309,15.2 h1 r90
  text "PA8" at 93.474,15.2 h1 r90
  text "PB4" at 8.949,15.1 h1 r90
  text "PB5" at 12.753,15.1 h1 r90
  text "PB9" at 16.569,15.1 h1 r90
  text "PA0" at 37.249,15.1 h1 r90
  text "PA3" at 51.434,15.1 h1 r90
  text "PA5" at 61.593,15.1 h1 r90
  text "PA6" at 65.408,15.1 h1 r90
  text "PA7" at 69.219,15.1 h1 r90
  text "PB14" at 83.12,15.1 h1 r90
  text "PB15" at 89.669,15.1 h1 r90
  text "PA1" at 41.05,15 h1 r90
  text "PA2" at 47.631,15 h1 r90
  text "PA4" at 55.244,15 h1 r90

## Dimensions
0,0 to -0.127,60 on Top Mechanical
0,0 to 100,0 on Top Mechanical